# Altium PCB BRZ_BATT_MANAGER.PcbDoc (part 2 of 2) (continued)
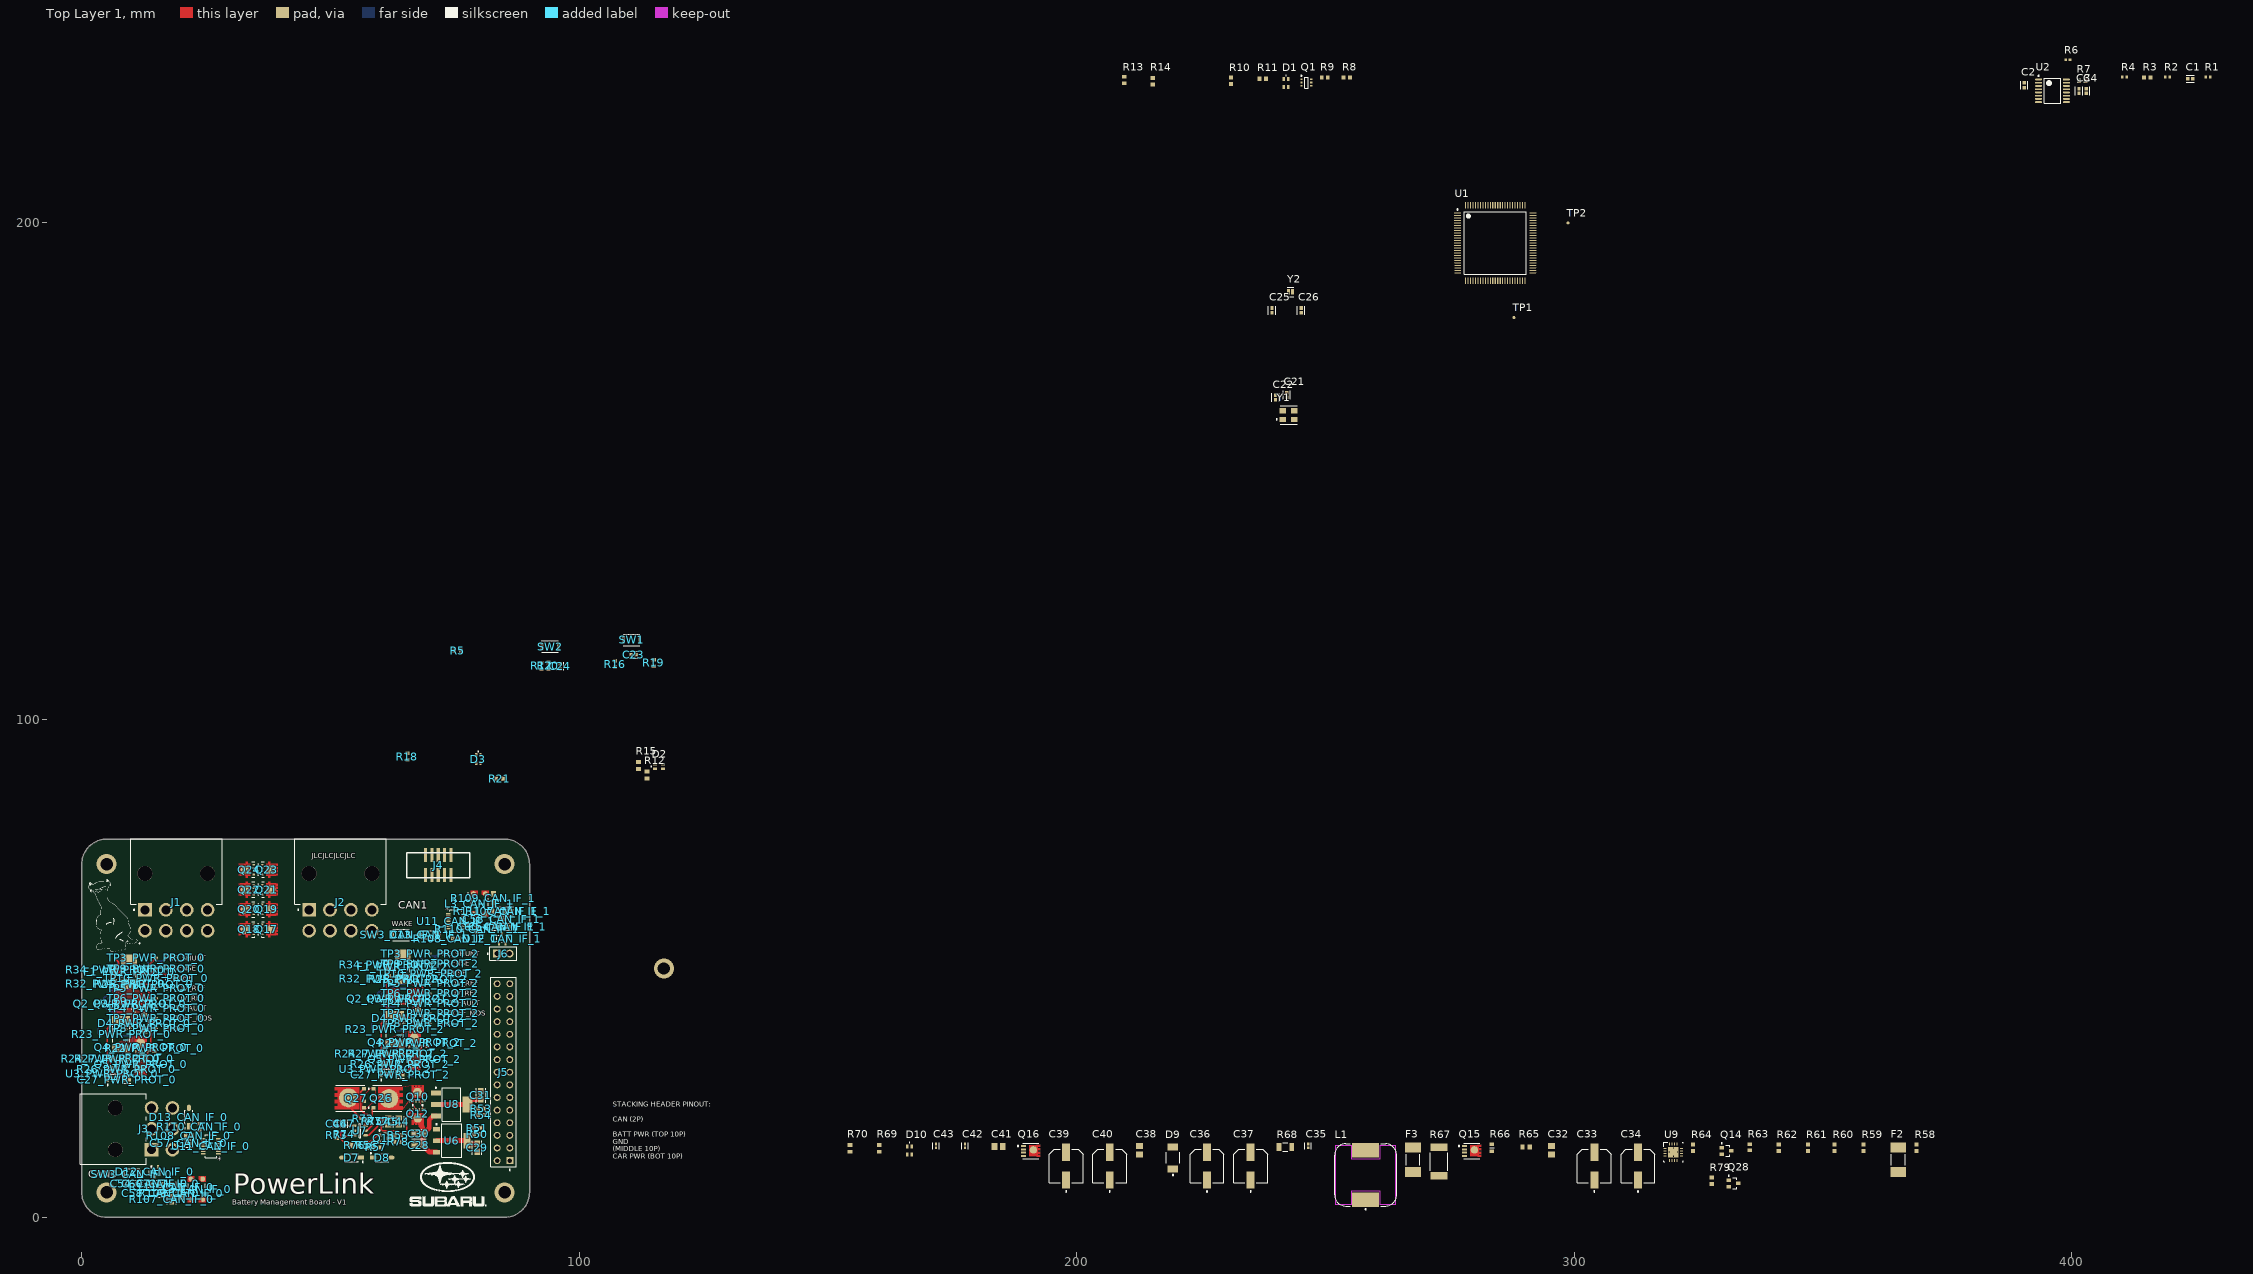
[diagram p0: Top Layer 1 view]
## Nets (pads, with @x,y where several pads share a name; then routed paths per layer and width w, separated by ;. In a path a pad name is that pad's centre, name@x,y a point inside that pad or via, vN(x,y) a via of type N, cw(c..) or ccw(c..) an arc to the next point about the centre after c; other vN are vias at no path point) (continued)
  Bottom Layer 1 w0.254: v1(5.2,27.75) 5.844,28.394 Q6_PWR_PROT_0.3@5.844,29.838 ; Q6_PWR_PROT_0.3@5.844,29.938 Q6_PWR_PROT_0.3@5.844,29.838 ; v1(9.75,30.9) 8.6,30.9 8.252,30.552 8.252,28.248 8.475,28.025 Q7_PWR_PROT_0.3@8.575,28.025 7.657,28.025 Q6_PWR_PROT_0.3@5.844,29.838
CUTOFF_MOSFET_PWR_PROT_2: Q4_PWR_PROT_2.4 Q5_PWR_PROT_2.4 Q6_PWR_PROT_2.3 Q7_PWR_PROT_2.3 R22_PWR_PROT_2.1 R26_PWR_PROT_2.2 R27_PWR_PROT_2.1 TP7_PWR_PROT_2.1 U3_PWR_PROT_2.1 | length 15.9
  Top Layer 1 w0.254: R26_PWR_PROT_2.2@63.9,31.4 63.9,32.6 R27_PWR_PROT_2.1@64.15,32.85 65.728,32.85 65.875,32.703 Q5_PWR_PROT_2.4@65.875,32.628 65.923,32.58 65.923,32.33 66.104,32.149 68.095,32.149 68.229,32.283 68.229,33.924 Q4_PWR_PROT_2.4@67.948,34.205 ; Q4_PWR_PROT_2.4@67.825,34.328 67.849,34.351 69.399,34.351 R22_PWR_PROT_2.1@69.5,34.25
  Bottom Layer 1 w0.254: v1(60.2,28.75) 60.844,29.394 Q6_PWR_PROT_2.3@60.844,30.838 ; Q6_PWR_PROT_2.3@60.844,30.938 Q6_PWR_PROT_2.3@60.844,30.838 ; Q7_PWR_PROT_2.3@63.575,29.025 62.657,29.025 Q6_PWR_PROT_2.3@60.844,30.838
DIAG_ADC_nCS: R6.1 U2.1
EN_MOSFET: Q10.4 Q12.4 R78.1 | length 7.8
  Top Layer 1 w0.254: R78.1@64.2,15.186 64.221,15.207 64.782,15.207 65.3,15.725 65.3,20.345 66.55,21.595 Q12.4@66.55,21.67
FAULT_PMOS_PWR_PROT_0: Q7_PWR_PROT_0.1 Q8_PWR_PROT_0.3 Q11_PWR_PROT_0.3 R35_PWR_PROT_0.1 | length 4.8
  Bottom Layer 1 w0.254: Q8_PWR_PROT_0.3@8.919,29.938 8.919,29.838 9.142,29.615 9.863,28.894 10.256,28.894 Q7_PWR_PROT_0.1@10.475,28.675 10.494,28.694 11.7,28.694 R35_PWR_PROT_0.1@11.719,28.713 11.769,28.713 12.017,28.961 12.017,29.105 12.019,29.107 Q11_PWR_PROT_0.3@12.019,29.938
FAULT_PMOS_PWR_PROT_2: Q7_PWR_PROT_2.1 Q8_PWR_PROT_2.3 Q11_PWR_PROT_2.3 R35_PWR_PROT_2.1 | length 4.8
  Bottom Layer 1 w0.254: Q8_PWR_PROT_2.3@63.919,30.938 63.919,30.838 64.142,30.615 64.863,29.894 65.256,29.894 Q7_PWR_PROT_2.1@65.475,29.675 65.494,29.694 66.7,29.694 R35_PWR_PROT_2.1@66.719,29.713 66.769,29.713 67.017,29.961 67.017,30.105 67.019,30.107 Q11_PWR_PROT_2.3@67.019,30.938
G_LED: R12.1
GND: C1.2 C2.2 C3.2 C4.2 C5.2 C6.2 C7.2 C8.2 C9.2 C10.2 C11.2 C12.2 C13.2 C14.2 C15.2 C16.2 C17.2 C18.2 C19.2 C20.2 C21.2 C22.2 C24.2 C25.2 C26.2 C27_PWR_PROT_0.2 C27_PWR_PROT_2.2 C28.2 C29.2 C30.2 C31.2 C32.1 C33.1 C34.1 C36.1 C37.1 C38.1 C39.1 C40.1 C41.1 C43.1 C44.2 C45.2 C54_CAN_IF_0.1 C54_CAN_IF_1.1 C55_CAN_IF_0.2 C55_CAN_IF_1.2 C56_CAN_IF_0.2 C56_CAN_IF_1.2 C57_CAN_IF_0.2 C57_CAN_IF_1.2 C58_CAN_IF_0.2 C58_CAN_IF_1.2 C59_CAN_IF_0.2 C59_CAN_IF_1.2 C60_CAN_IF_0.2 C60_CAN_IF_1.2 D5_PWR_PROT_0.2 D5_PWR_PROT_2.2 D12_CAN_IF_0.3 D12_CAN_IF_1.3 J1.3 J1.4 J1.7 J1.8 J2.3 J2.4 J2.7 J2.8 J3.2 J3.3 J4.3 J4.5 J5.11 J5.12 J5.13 J5.14 J5.15 J5.16 J5.17 J5.18 J5.19 J5.20 Q6_PWR_PROT_0.2 Q6_PWR_PROT_2.2 Q8_PWR_PROT_0.2 Q8_PWR_PROT_2.2 Q11_PWR_PROT_0.2 Q11_PWR_PROT_2.2 Q13.2 Q14.2 Q16.1 Q16.2 Q16.3 Q25.2 Q28.2 R3.1 R11.1 R14.1 R18.2 R19.1 R25_PWR_PROT_0.2 R25_PWR_PROT_2.2 R26_PWR_PROT_0.1 R26_PWR_PROT_2.1 R30_PWR_PROT_0.1 R30_PWR_PROT_2.1 R33_PWR_PROT_0.1 R33_PWR_PROT_2.1 R34_PWR_PROT_0.1 R34_PWR_PROT_2.1 R38_PWR_PROT_0.1 R38_PWR_PROT_2.1 R49_PWR_PROT_0.1 R49_PWR_PROT_2.1 R51.1 R54.2 R57.1 R62.1 R64.1 R66.1 R71_PWR_PROT_0.1 R71_PWR_PROT_2.1 R76.1 R79.1 R115.1 SW2.2 SW3_CAN_IF_0.1 SW3_CAN_IF_1.1 TP8_PWR_PROT_0.1 TP8_PWR_PROT_2.1 U1.10 U1.19 U1.26 U1.49 U1.74 U1.99 U2.3 U2.12 U3_PWR_PROT_0.2 U3_PWR_PROT_2.2 U4_PWR_PROT_0.11 U4_PWR_PROT_2.11 U5_PWR_PROT_0.2 U5_PWR_PROT_2.2 U6.1 U7.2 U8.1 U9.11 U9.17 U11_CAN_IF_0.2 U11_CAN_IF_1.2 Y1.2 Y1.4
  other v2: 5,5 85,5 117,50 5,71 85,71
  other v3: 319.915,12.265 319.095,13.085 320.735,13.085 319.915,13.905
HIDRV: Q15.4 U9.15
INT_3V3_SENSE: R50.1 R51.2 U2.7
INT_5V_SENSE: R53.1 R54.1 U2.6
ISET: R65.1 R66.2 U9.7
JUMP_MOS_GATE: Q17.4 Q18.4 Q19.4 Q20.4 Q21.4 Q22.4 Q23.4 Q24.4 Q25.3 R113.1
LODRV: Q16.4 U9.13
M1234_TEMP: U2.9
M5678_TEMP: U2.10
M9101112_TEMP: U2.11
NetC1_1: C1.1 R1.1 U1.14
NetC3_1: C3.1 C4.1 R7.2 U2.13
NetC13_1: C13.1 C14.1 TP1.1 U1.48
NetC15_1: C15.1 C16.1 TP2.1 U1.73
NetC27_PWR_PROT_0_1: C27_PWR_PROT_0.1 R24_PWR_PROT_0.1 R27_PWR_PROT_0.2 U3_PWR_PROT_0.4 | length 6.2
  Top Layer 1 w0.254: R24_PWR_PROT_0.1@6.45,31.85 6.45,31.8 7.1,31.15 7.1,31.05 ; R27_PWR_PROT_0.2@7.85,31.85 7.85,31.8 7.1,31.05 ; C27_PWR_PROT_0.1@8.546,27.675 8.525,27.675 8.316,27.884 8.316,28.297 7.1,29.513 U3_PWR_PROT_0.4@7.1,29.851 7.1,31.05
NetC27_PWR_PROT_2_1: C27_PWR_PROT_2.1 R24_PWR_PROT_2.1 R27_PWR_PROT_2.2 U3_PWR_PROT_2.4 | length 6.2
  Top Layer 1 w0.254: R24_PWR_PROT_2.1@61.45,32.85 61.45,32.8 62.1,32.15 62.1,32.05 ; R27_PWR_PROT_2.2@62.85,32.85 62.85,32.8 62.1,32.05 ; C27_PWR_PROT_2.1@63.546,28.675 63.525,28.675 63.316,28.884 63.316,29.297 62.1,30.513 U3_PWR_PROT_2.4@62.1,30.851 62.1,32.05
NetC28_1: C28.1 C30.1 Q12.5-6-7-8 U6.3 U8.3 | length 15
  Top Layer 1 w1: Q12.5-6-7-8@68.259,20.391 67.77,19.903 Q12.5-6-7-8@67.562,19.903 67.562,19.695 68.2,19.057 68.2,18.375 68.524,18.051 68.524,16.77 C30.1@68.547,16.747 68.601,16.8 68.7,16.8 69.85,17.95 69.85,19.585 70.656,20.391 U8.3@71.181,20.391 ; C28.1@68.549,14.447 C30.1@68.547,16.747 ; C28.1@68.701,14.294 69.896,13.1 U6.3@71.3,13.1
NetC38_2: C38.2 R67.1 U9.1
NetC46_1: C46.1 C47.1 U7.1 | length 3.6
  Top Layer 1 w0.254: C46.1@51.273,18.324 51.3,18.351 54.774,18.351 U7.1@54.801,18.378
NetC57_CAN_IF_0_1: C57_CAN_IF_0.1 D13_CAN_IF_0.1 R108_CAN_IF_0.1 U11_CAN_IF_0.10
NetC57_CAN_IF_1_1: C57_CAN_IF_1.1 D13_CAN_IF_1.1 R108_CAN_IF_1.1 U11_CAN_IF_1.10
  other v1: 74.571,56.025
NetC58_CAN_IF_0_1: C58_CAN_IF_0.1 R107_CAN_IF_0.2 R111_CAN_IF_0.1
NetC58_CAN_IF_1_1: C58_CAN_IF_1.1 R107_CAN_IF_1.2 R111_CAN_IF_1.1
NetC59_CAN_IF_0_1: C59_CAN_IF_0.1 R108_CAN_IF_0.2 R110_CAN_IF_0.2 SW3_CAN_IF_0.2
  other v1: 11.675,8.625
NetC59_CAN_IF_1_1: C59_CAN_IF_1.1 R108_CAN_IF_1.2 R110_CAN_IF_1.2 SW3_CAN_IF_1.2
  other v1: 65.775,56.75
NetD1_1: D1.1 R11.2
NetD1_2: D1.2 Q1.6
NetD1_3: D1.3 Q1.3
NetD1_4: D1.4 R14.2
NetD2_1: D2.1 R12.2
NetD2_4: D2.4 R15.2
NetD3_1: D3.1 R18.1
NetD3_4: D3.4 R21.2
NetD6_PWR_PROT_0_2: D6_PWR_PROT_0.2 Q9_PWR_PROT_0.3 | length 3
  Bottom Layer 1 w0.254: Q9_PWR_PROT_0.3@3.319,39.138 3.319,37.002 3.833,36.488 D6_PWR_PROT_0.2@3.969,36.488
NetD6_PWR_PROT_2_2: D6_PWR_PROT_2.2 Q9_PWR_PROT_2.3 | length 3
  Bottom Layer 1 w0.254: Q9_PWR_PROT_2.3@58.319,40.138 58.319,38.002 58.833,37.488 58.969,37.488
NetD7_1: D7.1 D8.1 R56.2
NetD10_2: D10.2 R69.1
NetD10_3: D10.3 R70.1
NetD11_PWR_PROT_0_2: D11_PWR_PROT_0.2 Q29_PWR_PROT_0.3 | length 3
  Bottom Layer 1 w0.254: D11_PWR_PROT_0.2@13.794,36.488 13.93,36.488 14.469,37.027 Q29_PWR_PROT_0.3@14.469,39.113
NetD11_PWR_PROT_2_2: D11_PWR_PROT_2.2 Q29_PWR_PROT_2.3 | length 3
  Bottom Layer 1 w0.254: D11_PWR_PROT_2.2@68.794,37.488 68.93,37.488 69.469,38.027 Q29_PWR_PROT_2.3@69.469,40.113
NetF1_PWR_PROT_0_2: F1_PWR_PROT_0.2 Q2_PWR_PROT_0.5-6-7-8 Q3_PWR_PROT_0.5-6-7-8 R28_PWR_PROT_0.2 R32_PWR_PROT_0.1 | length 9.4
  Top Layer 1 w0.254: R32_PWR_PROT_0.1@6.7,46.25 6.65,46.25 5.823,47.077 5.823,49.446 6.08,49.704 7.227,49.704 7.454,49.93 7.454,51.246 v1(6.7,52)
  Bottom Layer 1 w0.254: v1(6.7,52) 7.925,52 R28_PWR_PROT_0.2@8.2,52.275
NetF1_PWR_PROT_2_2: F1_PWR_PROT_2.2 Q2_PWR_PROT_2.5-6-7-8 Q3_PWR_PROT_2.5-6-7-8 R28_PWR_PROT_2.2 R32_PWR_PROT_2.1
NetQ1_2: Q1.2 R8.1 R9.2
NetQ1_5: Q1.5 R10.1 R13.2
NetQ4_PWR_PROT_0_1: Q4_PWR_PROT_0.1 Q4_PWR_PROT_0.2 Q4_PWR_PROT_0.3 Q5_PWR_PROT_0.1 Q5_PWR_PROT_0.2 Q5_PWR_PROT_0.3
NetQ4_PWR_PROT_2_1: Q4_PWR_PROT_2.1 Q4_PWR_PROT_2.2 Q4_PWR_PROT_2.3 Q5_PWR_PROT_2.1 Q5_PWR_PROT_2.2 Q5_PWR_PROT_2.3
NetQ6_PWR_PROT_0_1: Q6_PWR_PROT_0.1 R31_PWR_PROT_0.1 R33_PWR_PROT_0.2 | length 2.6
  Bottom Layer 1 w0.254: Q6_PWR_PROT_0.1@5.194,31.838 5.206,31.851 5.206,34.426 R31_PWR_PROT_0.1@5.219,34.438
NetQ6_PWR_PROT_2_1: Q6_PWR_PROT_2.1 R31_PWR_PROT_2.1 R33_PWR_PROT_2.2 | length 2.6
  Bottom Layer 1 w0.254: Q6_PWR_PROT_2.1@60.194,32.838 60.207,32.851 60.207,35.426 R31_PWR_PROT_2.1@60.219,35.438
NetQ8_PWR_PROT_0_1: Q8_PWR_PROT_0.1 R37_PWR_PROT_0.1 R38_PWR_PROT_0.2 | length 2.5
  Bottom Layer 1 w0.254: Q8_PWR_PROT_0.1@8.269,31.838 R37_PWR_PROT_0.1@8.269,34.388
NetQ8_PWR_PROT_2_1: Q8_PWR_PROT_2.1 R37_PWR_PROT_2.1 R38_PWR_PROT_2.2 | length 2.5
  Bottom Layer 1 w0.254: Q8_PWR_PROT_2.1@63.269,32.838 R37_PWR_PROT_2.1@63.269,35.388
NetQ9_PWR_PROT_0_1: Q9_PWR_PROT_0.1 R36_PWR_PROT_0.2 R39_PWR_PROT_0.2 | length 2.6
  Bottom Layer 1 w0.254: Q9_PWR_PROT_0.1@5.219,39.788 5.231,39.776 7.831,39.776 R36_PWR_PROT_0.2@7.844,39.763
NetQ9_PWR_PROT_0_2: Q9_PWR_PROT_0.2 R39_PWR_PROT_0.1 U4_PWR_PROT_0.15 | length 5.7
  Bottom Layer 1 w0.254: Q9_PWR_PROT_0.2@5.219,38.488 R39_PWR_PROT_0.1@6.519,38.488 6.569,38.488 7.219,39.138 8.319,39.138 8.55,39.369 U4_PWR_PROT_0.15@8.55,41.325
NetQ9_PWR_PROT_2_1: Q9_PWR_PROT_2.1 R36_PWR_PROT_2.2 R39_PWR_PROT_2.2 | length 2.6
  Bottom Layer 1 w0.254: Q9_PWR_PROT_2.1@60.219,40.788 60.232,40.776 62.831,40.776 R36_PWR_PROT_2.2@62.844,40.763
NetQ9_PWR_PROT_2_2: Q9_PWR_PROT_2.2 R39_PWR_PROT_2.1 U4_PWR_PROT_2.15 | length 5.7
  Bottom Layer 1 w0.254: Q9_PWR_PROT_2.2@60.219,39.488 R39_PWR_PROT_2.1@61.519,39.488 61.569,39.488 62.219,40.138 63.319,40.138 63.55,40.369 U4_PWR_PROT_2.15@63.55,42.325
NetQ10_1: Q10.1 Q12.3
NetQ10_2: Q10.2 Q12.2
NetQ10_3: Q10.3 Q12.1
NetQ11_PWR_PROT_0_1: Q11_PWR_PROT_0.1 R52_PWR_PROT_0.1 R71_PWR_PROT_0.2 | length 2.6
  Bottom Layer 1 w0.254: Q11_PWR_PROT_0.1@11.369,31.838 11.381,31.851 11.381,34.451 R52_PWR_PROT_0.1@11.394,34.463
NetQ11_PWR_PROT_2_1: Q11_PWR_PROT_2.1 R52_PWR_PROT_2.1 R71_PWR_PROT_2.2 | length 2.6
  Bottom Layer 1 w0.254: Q11_PWR_PROT_2.1@66.369,32.838 66.382,32.851 66.382,35.451 R52_PWR_PROT_2.1@66.394,35.463
NetQ13_1: Q13.1 R56.1 R57.2 | length 4.8
  Top Layer 1 w0.254: R56.1@57.3,15.15 58.014,15.15 58.55,15.686 ; R57.2@58.55,14 58.55,15.686 ; Q13.1@59.85,16.536 59.4,16.536 58.55,15.686
NetQ13_3: Q13.3 R55.1 R78.2 | length 2.3
  Top Layer 1 w0.254: Q13.3@61.75,15.886 62.325,15.886 62.95,15.261 R78.2@62.95,15.186 ; 62.432,15.943 62.925,16.436 R55.1@62.925,16.486
NetQ14_1: Q14.1 Q28.3 R63.1 R64.2
NetQ17_1: Q17.1 Q18.3
NetQ17_2: Q17.2 Q18.2
NetQ17_3: Q17.3 Q18.1
NetQ19_1: Q19.1 Q20.3
NetQ19_2: Q19.2 Q20.2
NetQ19_3: Q19.3 Q20.1
NetQ21_1: Q21.1 Q22.3
NetQ21_2: Q21.2 Q22.2
NetQ21_3: Q21.3 Q22.1
NetQ23_1: Q23.1 Q24.3
NetQ23_2: Q23.2 Q24.2
NetQ23_3: Q23.3 Q24.1
NetQ25_1: Q25.1 R114.1 R115.2
NetQ26_1: Q26.1 Q27.3
NetQ26_2: Q26.2 Q27.2
NetQ26_3: Q26.3 Q27.1
NetQ28_1: Q28.1 R79.2
NetQ29_PWR_PROT_0_1: Q29_PWR_PROT_0.1 R42_PWR_PROT_0.2 R44_PWR_PROT_0.2 | length 3.2
  Bottom Layer 1 w0.254: R42_PWR_PROT_0.2@9.969,39.738 10.044,39.738 10.996,38.786 10.996,38.711 11.244,38.463 R44_PWR_PROT_0.2@11.294,38.463 Q29_PWR_PROT_0.1@12.569,38.463
NetQ29_PWR_PROT_0_2: Q29_PWR_PROT_0.2 R44_PWR_PROT_0.1 U4_PWR_PROT_0.6 | length 10
  Bottom Layer 1 w0.254: U4_PWR_PROT_0.6@8.55,44.195 8.553,44.198 8.553,44.625 9.103,45.175 10.595,45.175 11.625,44.145 11.625,40.16 11.592,40.127 11.592,40.011 11.344,39.763 R44_PWR_PROT_0.1@11.294,39.763 Q29_PWR_PROT_0.2@12.569,39.763
NetQ29_PWR_PROT_2_1: Q29_PWR_PROT_2.1 R42_PWR_PROT_2.2 R44_PWR_PROT_2.2 | length 3.2
  Bottom Layer 1 w0.254: R42_PWR_PROT_2.2@64.969,40.738 65.044,40.738 65.996,39.786 65.996,39.711 66.244,39.463 R44_PWR_PROT_2.2@66.294,39.463 Q29_PWR_PROT_2.1@67.569,39.463
NetQ29_PWR_PROT_2_2: Q29_PWR_PROT_2.2 R44_PWR_PROT_2.1 U4_PWR_PROT_2.6 | length 10
  Bottom Layer 1 w0.254: U4_PWR_PROT_2.6@63.55,45.195 63.553,45.198 63.553,45.625 64.103,46.175 65.595,46.175 66.625,45.145 66.625,41.16 66.592,41.127 66.592,41.011 66.344,40.763 R44_PWR_PROT_2.1@66.294,40.763 Q29_PWR_PROT_2.2@67.569,40.763
NetR2_1: R2.1 R3.2 U1.94
NetR4_1: R4.1 U1.85
NetR6_2: R6.2 U1.77
NetR16_2: R16.2 SW1.1
NetR17_2: R17.2 SW2.1
NetR22_PWR_PROT_0_2: R22_PWR_PROT_0.2
NetR22_PWR_PROT_2_2: R22_PWR_PROT_2.2
NetR40_PWR_PROT_0_2: R40_PWR_PROT_0.2 U4_PWR_PROT_0.16 | length 9
  Bottom Layer 1 w0.254: R40_PWR_PROT_0.2@6.35,46.65 6.35,45.9 4.45,44 4.45,42.5 5.625,41.325 U4_PWR_PROT_0.16@8.05,41.325
NetR40_PWR_PROT_2_2: R40_PWR_PROT_2.2 U4_PWR_PROT_2.16 | length 9
  Bottom Layer 1 w0.254: R40_PWR_PROT_2.2@61.35,47.65 61.35,46.9 59.45,45 59.45,43.5 60.625,42.325 U4_PWR_PROT_2.16@63.05,42.325
NetR41_PWR_PROT_0_2: R41_PWR_PROT_0.2 U4_PWR_PROT_0.1 | length 7.5
  Bottom Layer 1 w0.254: U4_PWR_PROT_0.1@7.365,42.01 7.362,42.013 5.912,42.013 5.075,42.85 5.075,43.725 7.422,46.072 7.422,46.402 7.67,46.65 R41_PWR_PROT_0.2@7.675,46.65
NetR41_PWR_PROT_2_2: R41_PWR_PROT_2.2 U4_PWR_PROT_2.1 | length 7.5
  Bottom Layer 1 w0.254: U4_PWR_PROT_2.1@62.365,43.01 62.362,43.013 60.912,43.013 60.075,43.85 60.075,44.725 62.422,47.072 62.422,47.402 62.67,47.65 R41_PWR_PROT_2.2@62.675,47.65
NetR43_PWR_PROT_0_1: R43_PWR_PROT_0.1 R46_PWR_PROT_0.2 U5_PWR_PROT_0.4 | length 3.2
  Bottom Layer 1 w0.254: R46_PWR_PROT_0.2@14.362,47.524 14.362,47.574 15.087,48.299 ; U5_PWR_PROT_0.4@15.087,49.449 15.087,49.048 15.087,48.299 ; R43_PWR_PROT_0.1@15.512,47.524 15.512,47.577 15.261,47.828 15.236,47.828 15.087,47.977 15.087,48.299
NetR43_PWR_PROT_0_2: R43_PWR_PROT_0.2 R80_PWR_PROT_0.2 U5_PWR_PROT_0.1 | length 6.5
  Bottom Layer 1 w0.254: U5_PWR_PROT_0.1@13.187,51.55 13.187,51.212 13.9,50.5 15.512,50.5 15.962,50.05 ; 15.962,50.049 16.812,49.199 R80_PWR_PROT_0.2@16.812,49.124 ; R43_PWR_PROT_0.2@16.814,47.524 R80_PWR_PROT_0.2@16.813,49.123
NetR43_PWR_PROT_2_1: R43_PWR_PROT_2.1 R46_PWR_PROT_2.2 U5_PWR_PROT_2.4 | length 3.2
  Bottom Layer 1 w0.254: R46_PWR_PROT_2.2@69.362,48.524 69.362,48.574 70.087,49.299 ; U5_PWR_PROT_2.4@70.087,50.449 70.087,50.048 70.087,49.299 ; R43_PWR_PROT_2.1@70.512,48.524 70.512,48.577 70.261,48.828 70.236,48.828 70.087,48.977 70.087,49.299
NetR43_PWR_PROT_2_2: R43_PWR_PROT_2.2 R80_PWR_PROT_2.2 U5_PWR_PROT_2.1 | length 6.5
  Bottom Layer 1 w0.254: U5_PWR_PROT_2.1@68.187,52.55 68.187,52.212 68.9,51.5 70.512,51.5 70.962,51.05 71.812,50.199 R80_PWR_PROT_2.2@71.812,50.124 ; R43_PWR_PROT_2.2@71.813,48.525 R80_PWR_PROT_2.2@71.813,50.123
NetR45_PWR_PROT_0_2: R45_PWR_PROT_0.2 U4_PWR_PROT_0.5 | length 3.6
  Bottom Layer 1 w0.254: U4_PWR_PROT_0.5@8.05,44.195 8.053,44.198 8.053,44.903 8.325,45.175 8.959,45.809 9.759,45.809 R45_PWR_PROT_0.2@10.275,46.325 ; R45_PWR_PROT_0.2@10.275,46.65 R45_PWR_PROT_0.2@10.325,46.65
NetR45_PWR_PROT_2_2: R45_PWR_PROT_2.2 U4_PWR_PROT_2.5 | length 3.6
  Bottom Layer 1 w0.254: U4_PWR_PROT_2.5@63.05,45.195 63.053,45.198 63.053,45.903 63.325,46.175 63.959,46.809 64.759,46.809 R45_PWR_PROT_2.2@65.275,47.325 ; R45_PWR_PROT_2.2@65.275,47.65 R45_PWR_PROT_2.2@65.325,47.65
NetR47_PWR_PROT_0_2: R47_PWR_PROT_0.2 U4_PWR_PROT_0.4 | length 3.8
  Bottom Layer 1 w0.254: U4_PWR_PROT_0.4@7.365,43.51 7.365,45.065 8.95,46.65 R47_PWR_PROT_0.2@9,46.65
NetR47_PWR_PROT_2_2: R47_PWR_PROT_2.2 U4_PWR_PROT_2.4 | length 3.8
  Bottom Layer 1 w0.254: U4_PWR_PROT_2.4@62.365,44.51 62.365,46.065 63.95,47.65 R47_PWR_PROT_2.2@64,47.65
NetR48_PWR_PROT_0_2: R48_PWR_PROT_0.2 R49_PWR_PROT_0.2 U5_PWR_PROT_0.3 | length 3.5
  Bottom Layer 1 w0.254: U5_PWR_PROT_0.3@15.087,51.55 15.736,51.55 ; R49_PWR_PROT_0.2@16.761,52.124 16.761,52.071 16.24,51.55 15.736,51.55 ; R48_PWR_PROT_0.2@16.812,50.424 16.812,50.474 15.736,51.55
NetR48_PWR_PROT_2_2: R48_PWR_PROT_2.2 R49_PWR_PROT_2.2 U5_PWR_PROT_2.3 | length 3.5
  Bottom Layer 1 w0.254: U5_PWR_PROT_2.3@70.087,52.55 70.736,52.55 ; R49_PWR_PROT_2.2@71.761,53.124 71.761,53.071 71.24,52.55 70.736,52.55 ; R48_PWR_PROT_2.2@71.812,51.424 71.812,51.474 70.736,52.55
NetR72_1: R72.1 U7.6 | length 1.4
  Top Layer 1 w0.254: R72.1@57.025,19.8 57.029,19.796 57.029,18.382 U7.6@57.032,18.378
NetR73_1: R73.1 R74.1 R76.2 | length 5.5
  Top Layer 1 w0.254: R73.1@51.3,17.125 52.05,17.125 ; R74.1@52.8,17.125 52.05,17.125 ; R76.2@54.175,14.5 53.35,14.5 52.05,15.8 52.05,17.125
NetR73_2: R73.2
NetR74_2: R74.2 U7.3 | length 2
  Top Layer 1 w0.254: R74.2@52.892,16.253 53.667,16.253 53.892,16.478 U7.3@54.801,16.478
NetR75_1: R75.1 U7.5 | length 2.1
  Top Layer 1 w0.254: U7.5@57.032,17.428 57.259,17.428 58.252,18.421 58.252,18.727 R75.1@58.4,18.875
NetR77_1: R77.1 U7.4 | length 3.8
  Top Layer 1 w0.254: U7.4@57.032,16.478 57.678,16.478 59.543,18.343 59.543,18.818 R77.1@59.6,18.875
NetR110_CAN_IF_0_1: R110_CAN_IF_0.1 U11_CAN_IF_0.9
NetR110_CAN_IF_1_1: R110_CAN_IF_1.1 U11_CAN_IF_1.9
PH: C35.2 L1.1 Q15.1 Q15.2 Q15.3 Q16.5-6-7-8 U9.14
POST_SHUNT_PWR_PROT_0: Q4_PWR_PROT_0.5-6-7-8 R23_PWR_PROT_0.2 R48_PWR_PROT_0.1 U3_PWR_PROT_0.3 | length 27.4
  Top Layer 1 w0.2: U3_PWR_PROT_0.3@7.1,27.75 7.1,28.582 6.882,28.8 6.204,28.8 5.683,29.32 5.683,30.728 5.844,30.888 5.844,32.899 6.885,33.94 R23_PWR_PROT_0.2@7.9,33.94
  Bottom Layer w0.254: v1@9,35.5 11.25,37.75 11.25,43.562 v1(18.112,50.424)
  other v1: 8.925,35.413
POST_SHUNT_PWR_PROT_2: Q4_PWR_PROT_2.5-6-7-8 R23_PWR_PROT_2.2 R48_PWR_PROT_2.1 U3_PWR_PROT_2.3 | length 27.4
  Top Layer 1 w0.2: U3_PWR_PROT_2.3@62.1,28.75 62.1,29.582 61.882,29.8 61.204,29.8 60.683,30.32 60.683,31.728 60.844,31.888 60.844,33.899 61.885,34.94 R23_PWR_PROT_2.2@62.9,34.94
  Bottom Layer w0.254: v1@64,36.5 66.25,38.75 66.25,44.562 v1(73.112,51.424)
  other v1: 63.925,36.413
PRE_12V_SENSE: U2.5
PRE_CAN1_CAN_IF_0_N: L3_CAN_IF_0.3 U11_CAN_IF_0.12
PRE_CAN1_CAN_IF_0_P: L3_CAN_IF_0.2 U11_CAN_IF_0.13
PRE_CAN1_CAN_IF_1_N: L3_CAN_IF_1.3 U11_CAN_IF_1.12
PRE_CAN1_CAN_IF_1_P: L3_CAN_IF_1.2 U11_CAN_IF_1.13
PRE_SHUNT_PWR_PROT_0: D4_PWR_PROT_0.1 Q2_PWR_PROT_0.1 Q2_PWR_PROT_0.2 Q2_PWR_PROT_0.3 Q3_PWR_PROT_0.1 Q3_PWR_PROT_0.2 Q3_PWR_PROT_0.3 Q7_PWR_PROT_0.2 R23_PWR_PROT_0.1 R24_PWR_PROT_0.2 R35_PWR_PROT_0.2 R46_PWR_PROT_0.1 TP3_PWR_PROT_0.1 U3_PWR_PROT_0.6 U4_PWR_PROT_0.2 U5_PWR_PROT_0.6 | length 45.5
  Top Layer 1 w0.254: U3_PWR_PROT_0.6@5.2,29.851 5.175,29.876 5.175,31.825 R24_PWR_PROT_0.2@5.15,31.85 5.15,37.915 6.885,39.65 R23_PWR_PROT_0.1@7.9,39.65 R23_PWR_PROT_0.1@8.202,39.65 ; v1(8.9,37.788) 8.9,38.952 R23_PWR_PROT_0.1@8.202,39.65 ; D4_PWR_PROT_0.1@12.6,37.415 12.445,37.415 10.21,39.65 R23_PWR_PROT_0.1@8.202,39.65 ; v1(13.187,49.449) 13.187,50.311 TP3_PWR_PROT_0.1@15,52.124
  Bottom Layer w0.254: v1(5.727,43.2) 6.938,43.2 8.988,45.25 ; v1(8.9,37.788) 8.9,45.162 8.988,45.25 ; 8.994,45.256 v1(13.187,49.449) 13.238,49.5 v1@13.25,49.5 ; 9,45.25 8.988,45.25
  Bottom Layer 1 w0.254: v1(5.727,43.2) 5.775,43.2 6.462,42.513 7.352,42.513 U4_PWR_PROT_0.2@7.358,42.507 ; Q7_PWR_PROT_0.2@10.475,27.375 10.494,27.394 11.7,27.394 R35_PWR_PROT_0.2@11.719,27.413 ; R46_PWR_PROT_0.1@13.062,47.524 13.135,47.596 13.135,49.396 v1(13.187,49.449)
PRE_SHUNT_PWR_PROT_2: D4_PWR_PROT_2.1 Q2_PWR_PROT_2.1 Q2_PWR_PROT_2.2 Q2_PWR_PROT_2.3 Q3_PWR_PROT_2.1 Q3_PWR_PROT_2.2 Q3_PWR_PROT_2.3 Q7_PWR_PROT_2.2 R23_PWR_PROT_2.1 R24_PWR_PROT_2.2 R35_PWR_PROT_2.2 R46_PWR_PROT_2.1 TP3_PWR_PROT_2.1 U3_PWR_PROT_2.6 U4_PWR_PROT_2.2 U5_PWR_PROT_2.6 | length 42.1
  Top Layer 1 w0.254: U3_PWR_PROT_2.6@60.2,30.851 60.175,30.876 60.175,32.825 R24_PWR_PROT_2.2@60.15,32.85 60.15,38.915 61.885,40.65 R23_PWR_PROT_2.1@62.9,40.65 R23_PWR_PROT_2.1@63.202,40.65 ; v1(63.9,38.788) 63.9,39.952 R23_PWR_PROT_2.1@63.202,40.65 ; D4_PWR_PROT_2.1@67.6,38.415 67.445,38.415 65.21,40.65 R23_PWR_PROT_2.1@63.202,40.65
  Bottom Layer w0.254: v1(60.727,44.2) 61.938,44.2 63.988,46.25 ; v1(63.9,38.788) 63.9,46.162 63.988,46.25 ; 63.994,46.256 v1(68.187,50.449) 68.238,50.5 v1@68.25,50.5 ; 64,46.25 63.988,46.25
  Bottom Layer 1 w0.254: v1(60.727,44.2) 60.775,44.2 61.462,43.513 62.352,43.513 U4_PWR_PROT_2.2@62.358,43.507 ; Q7_PWR_PROT_2.2@65.475,28.375 65.494,28.394 66.7,28.394 R35_PWR_PROT_2.2@66.719,28.413 ; R46_PWR_PROT_2.1@68.062,48.524 68.135,48.596 68.135,50.396 v1(68.187,50.449)
PWR_FAULT_PWR_PROT_0: D6_PWR_PROT_0.1 D11_PWR_PROT_0.1 R37_PWR_PROT_0.2 TP4_PWR_PROT_0.1 | length 13.7
  Bottom Layer 1 w0.254: D6_PWR_PROT_0.1@7.619,36.488 D11_PWR_PROT_0.1@10.144,36.488 ; R37_PWR_PROT_0.2@9.519,34.388 9.519,34.463 10.144,35.088 D11_PWR_PROT_0.1@10.144,36.488 ; v1(15,42) 13.6,40.6 13.6,37.805 12.283,36.488 D11_PWR_PROT_0.1@10.144,36.488
PWR_FAULT_PWR_PROT_2: D6_PWR_PROT_2.1 D11_PWR_PROT_2.1 R37_PWR_PROT_2.2 TP4_PWR_PROT_2.1 | length 4.9
  Bottom Layer 1 w0.254: 62.619,37.488 D11_PWR_PROT_2.1@65.144,37.488 65.144,36.088 64.519,35.463 R37_PWR_PROT_2.2@64.519,35.388
PWR_IN: C33.2 C34.2 F2.2 Q15.5-6-7-8 R67.2
PWR_OUT_PWR_PROT_2: C44.1 C45.1 J5.21 J5.22 J5.23 J5.24 J5.25 J5.26 J5.27 J5.28 J5.29 J5.30 Q5_PWR_PROT_2.5-6-7-8 Q10.5-6-7-8 Q26.5-6-7-8 R55.2 R77.2 | length 8.7
  Top Layer 1 w0.254: R77.2@59.6,19.75 60.25,19.75 ; C45.1@61.629,19.975 61.404,19.75 60.25,19.75 ; R55.2@64.225,16.486 64.225,16.536 63.386,17.375 60.475,17.375 60.25,17.6 60.25,19.75
R_LED: R15.1
REGN: C41.2 D9.2 U9.12
RESETN: C24.1 J4.10 R1.2 R17.1 R20.2
RP_MOS_LINK_PWR_PROT_0: D4_PWR_PROT_0.2 Q2_PWR_PROT_0.4 Q3_PWR_PROT_0.4 R25_PWR_PROT_0.1 | length 10.9
  Top Layer 1 w0.254: Q2_PWR_PROT_0.4@8.6,41.95 9.902,41.95 10.38,42.429 12.371,42.429 12.552,42.248 Q3_PWR_PROT_0.4@12.552,41.998 ; R25_PWR_PROT_0.1@12.5,46.2 12.55,46.2 12.798,45.952 12.798,45.902 13.525,45.175 13.525,42.875 12.723,42.073 12.648,42.073 12.6,42.025 D4_PWR_PROT_0.2@12.6,40.685
RP_MOS_LINK_PWR_PROT_2: D4_PWR_PROT_2.2 Q2_PWR_PROT_2.4 Q3_PWR_PROT_2.4 R25_PWR_PROT_2.1 | length 10.9
  Top Layer 1 w0.254: Q2_PWR_PROT_2.4@63.6,42.95 64.902,42.95 65.38,43.429 67.371,43.429 67.552,43.248 Q3_PWR_PROT_2.4@67.552,42.998 ; R25_PWR_PROT_2.1@67.5,47.2 67.55,47.2 67.798,46.952 67.798,46.902 68.525,46.175 68.525,43.875 67.723,43.073 67.648,43.073 67.6,43.025 D4_PWR_PROT_2.2@67.6,41.685
SPI1_MISO: U1.30
SPI1_MOSI: U1.31
SPI1_nCS: U1.28
SPI1_SCLK: U1.29
SPI2_MISO: U1.53
SPI2_MOSI: U1.54
SPI2_nCS: U1.51
SPI2_SCLK: U1.52
SPI3_MISO: U1.79 U2.15
SPI3_MOSI: U1.80 U2.14
SPI3_SCLK: U1.78 U2.16
SPI4_MISO: U1.43
SPI4_MOSI: U1.44
SPI4_nCS: U1.41
SPI4_SCLK: U1.42
SRN: C36.2 C37.2 C39.2 C40.2 C42.2 F3.1 R68.2 U9.9
SRP: C42.1 C43.2 L1.2 R68.1 U9.10
SWCLK: J4.4 R5.2 U1.76
SWDIO: J4.2 U1.72
SWO: J4.6 U1.89
TEMP_SENSE: R61.2 U9.4
VCC_SENSE: U2.8
VDDA: C11.1 C12.1 C19.1 C20.1 FB1.2 U1.20 U1.21
VFB: U9.8
VREF: C32.2 R60.2 R65.2 U9.6
X32_N: C26.1 U1.9 Y2.2
X32_P: C25.1 U1.8 Y2.1
X_N: C22.1 U1.13 Y1.1
X_P: C21.1 U1.12 Y1.3
pads on no net: J1. J2. J3. J4.7 J4.8 J4.9 R114.2 U1.1 U1.2 U1.3 U1.4 U1.5 U1.7 U1.15 U1.16 U1.17 U1.18 U1.22 U1.23 U1.24 U1.25 U1.32 U1.33 U1.34 U1.35 U1.36 U1.37 U1.38 U1.39 U1.40 U1.45 U1.46 U1.47 U1.55 U1.56 U1.57 U1.58 U1.59 U1.60 U1.61 U1.62 U1.63 U1.64 U1.65 U1.66 U1.67 U1.68 U1.69 U1.70 U1.71 U1.83 U1.84 U1.86 U1.87 U1.88 U1.90 U1.91 U1.92 U1.93 U1.95 U1.96 U1.97 U1.98 U3_PWR_PROT_0.5 U3_PWR_PROT_2.5 U4_PWR_PROT_0.3 U4_PWR_PROT_0.7 U4_PWR_PROT_0.8 U4_PWR_PROT_0.9 U4_PWR_PROT_0.10 U4_PWR_PROT_0.12 U4_PWR_PROT_0.13 U4_PWR_PROT_0.14 U4_PWR_PROT_2.3 U4_PWR_PROT_2.7 U4_PWR_PROT_2.8 U4_PWR_PROT_2.9 U4_PWR_PROT_2.10 U4_PWR_PROT_2.12 U4_PWR_PROT_2.13 U4_PWR_PROT_2.14 U5_PWR_PROT_0.5 U5_PWR_PROT_2.5

## Polygon pours and split planes (outlines as drawn)
PWR_OUT_PWR_PROT_2 on Top Layer 1 "PWR_OUT_PWR_PROT_2_L01_P017" (solid, pour order 17): 59.55,26.175 59.55,21.69 64.5,21.69 66.3,24.14 68.75,24.14 68.75,26.37 68.7,26.42 66.3,26.42 64.5,26.175
NetQ10_3 on Top Layer 1 "NETQ10_3_L01_P016" (solid, pour order 16): 66.375,23.62 66.375,23.12 67.025,21.92 67.025,21.42 68.675,21.42 68.675,21.92 68.025,23.12 68.025,23.62
NetQ26_3 on Top Layer 1 "NETQ26_3_L01_P015" (solid, pour order 15): 58.995,22.96 58.245,22.96 57.095,21.69 56.345,21.69 56.345,24.905 57.095,24.905 58.245,26.175 58.995,26.175
PRE_SHUNT_PWR_PROT_2 on Top Layer 1 "PRE_SHUNT_PWR_PROT_2_L01_P008" (solid, pour order 8): 67.125,43.2 61.475,43.2 61.06,41.475 61.06,39.826 64.74,39.825 67.125,42.7
NetF1_PWR_PROT_2_2 on Top Layer 1 "NETF1_PWR_PROT_2_2_L01_P010" (solid, pour order 10): 66.075,48.875 66.075,46.915 67.8,46 67.85,45.7 67.85,43.72 61.4,43.72 61.4,45.7 61.275,46.175 61.275,47.625 62.125,47.625 62.925,48.875
NetQ4_PWR_PROT_2_1 on Top Layer 1 "NETQ4_PWR_PROT_2_1_L01_P012" (solid, pour order 12): 67.35,34.578 67.35,34.078 68,32.878 68,32.378 66.35,32.378 66.35,32.878 65.7,34.078 65.7,34.578
POST_SHUNT_PWR_PROT_2 on Top Layer 1 "POST_SHUNT_PWR_PROT_2_L01_P014" (solid, pour order 14): 68.025,37.378 68.075,37.078 68.075,35.098 65.625,35.098 64.74,34.115 61.06,34.115 61.06,35.765 65.675,37.378
POST_SHUNT_PWR_PROT_0 on Top Layer 1 "POST_SHUNT_PWR_PROT_0_L01_P013" (solid, pour order 13): 13.025,36.378 13.075,36.078 13.075,34.098 10.625,34.098 9.74,33.115 6.06,33.115 6.06,34.765 10.675,36.378
NetQ4_PWR_PROT_0_1 on Top Layer 1 "NETQ4_PWR_PROT_0_1_L01_P011" (solid, pour order 11): 12.35,33.578 12.35,33.078 13,31.878 13,31.378 11.35,31.378 11.35,31.878 10.7,33.078 10.7,33.578
NetF1_PWR_PROT_0_2 on Top Layer 1 "NETF1_PWR_PROT_0_2_L01_P009" (solid, pour order 9): 11.075,47.875 11.075,45.915 12.8,45 12.85,44.7 12.85,42.72 6.4,42.72 6.4,44.7 6.275,45.175 6.275,46.625 7.125,46.625 7.925,47.875
PRE_SHUNT_PWR_PROT_0 on Top Layer 1 "PRE_SHUNT_PWR_PROT_0_L01_P007" (solid, pour order 7): 12.125,42.2 6.475,42.2 6.06,40.475 6.06,38.826 9.74,38.825 12.125,41.7

## Silkscreen, mask and mechanical layers (free items; w line width, h text height)
Top Overlay:
  drawing of 26 lines, arcs and shapes, not listed
  text "JLCJLCJLCJLC" at 46.2,72.2 h1
  text "CAN1" at 63.629,62.029 h1.52
  text "WAKE" at 62.35,58.475 h1
  text "PRE_SHUNT" at 71.7,52.517 h1
  text "PRE_SHUNT" at 16.7,51.517 h1
  text "V_SENSE" at 71.7,50.517 h1
  text "V_SENSE" at 16.7,49.517 h1
  text "I_SENSE" at 71.7,48.517 h1
  text "I_SENSE" at 16.7,47.517 h1
  text "3V_OV_REF" at 71.7,46.517 h1
  text "3V_OV_REF" at 16.7,45.517 h1
  text "2V_UV_REF" at 71.7,44.517 h1
  text "2V_UV_REF" at 16.7,43.517 h1
  text "PWR_FAULT" at 71.7,42.517 h1
  text "PWR_FAULT" at 16.7,41.517 h1
  text "CUTOFF_MOS" at 71.7,40.517 h1
  text "CUTOFF_MOS" at 16.7,39.517 h1
  text "GND" at 71.7,38.35 h1
  text "GND" at 16.7,37.35 h1
  text "STACKING HEADER PINOUT: /  / CAN (2P) /  / BATT PWR (TOP 10P) / GND  / (MIDDLE 10P) / CAR PWR (BOT 10P)" at 106.725,11.725 h1
  text "CAN0" at 1.329,7.929 h1.52
  text "WAKE" at 8.25,6.075 h1
  text "PowerLink" at 30.45,4.75 h4
  text "Battery Management Board - V1" at 30.2,2.533 h1
Mechanical 1:
  lines w0.2: 0,5 0,71 ; 0,54.075 0,55.275 ; 5,0 85,0 ; 5,76 85,76 ; 39.7,95 40.75,95 ; 90,5 90,71
  lines w0.5: 0,5 ccw(c5,5) 5,0 ; 0,71 cw(c5,71) 5,76 ; 85,0 ccw(c85,5) 90,5 ; 85,76 cw(c85,71) 90,71

## Text inside footprints (layer, text, board x,y; h text height)
U11_CAN_IF_0: Top 3D Body "*" at 26.966,13.475 h1.27 r180; Top Overlay "*" at 28.09,12.597 h1.27 r180
U11_CAN_IF_1: Top 3D Body "*" at 74.209,60.325 h1.27; Top Overlay "*" at 73.085,61.203 h1.27